# KiCad board TEST_PANEL.kicad_pcb (continued)
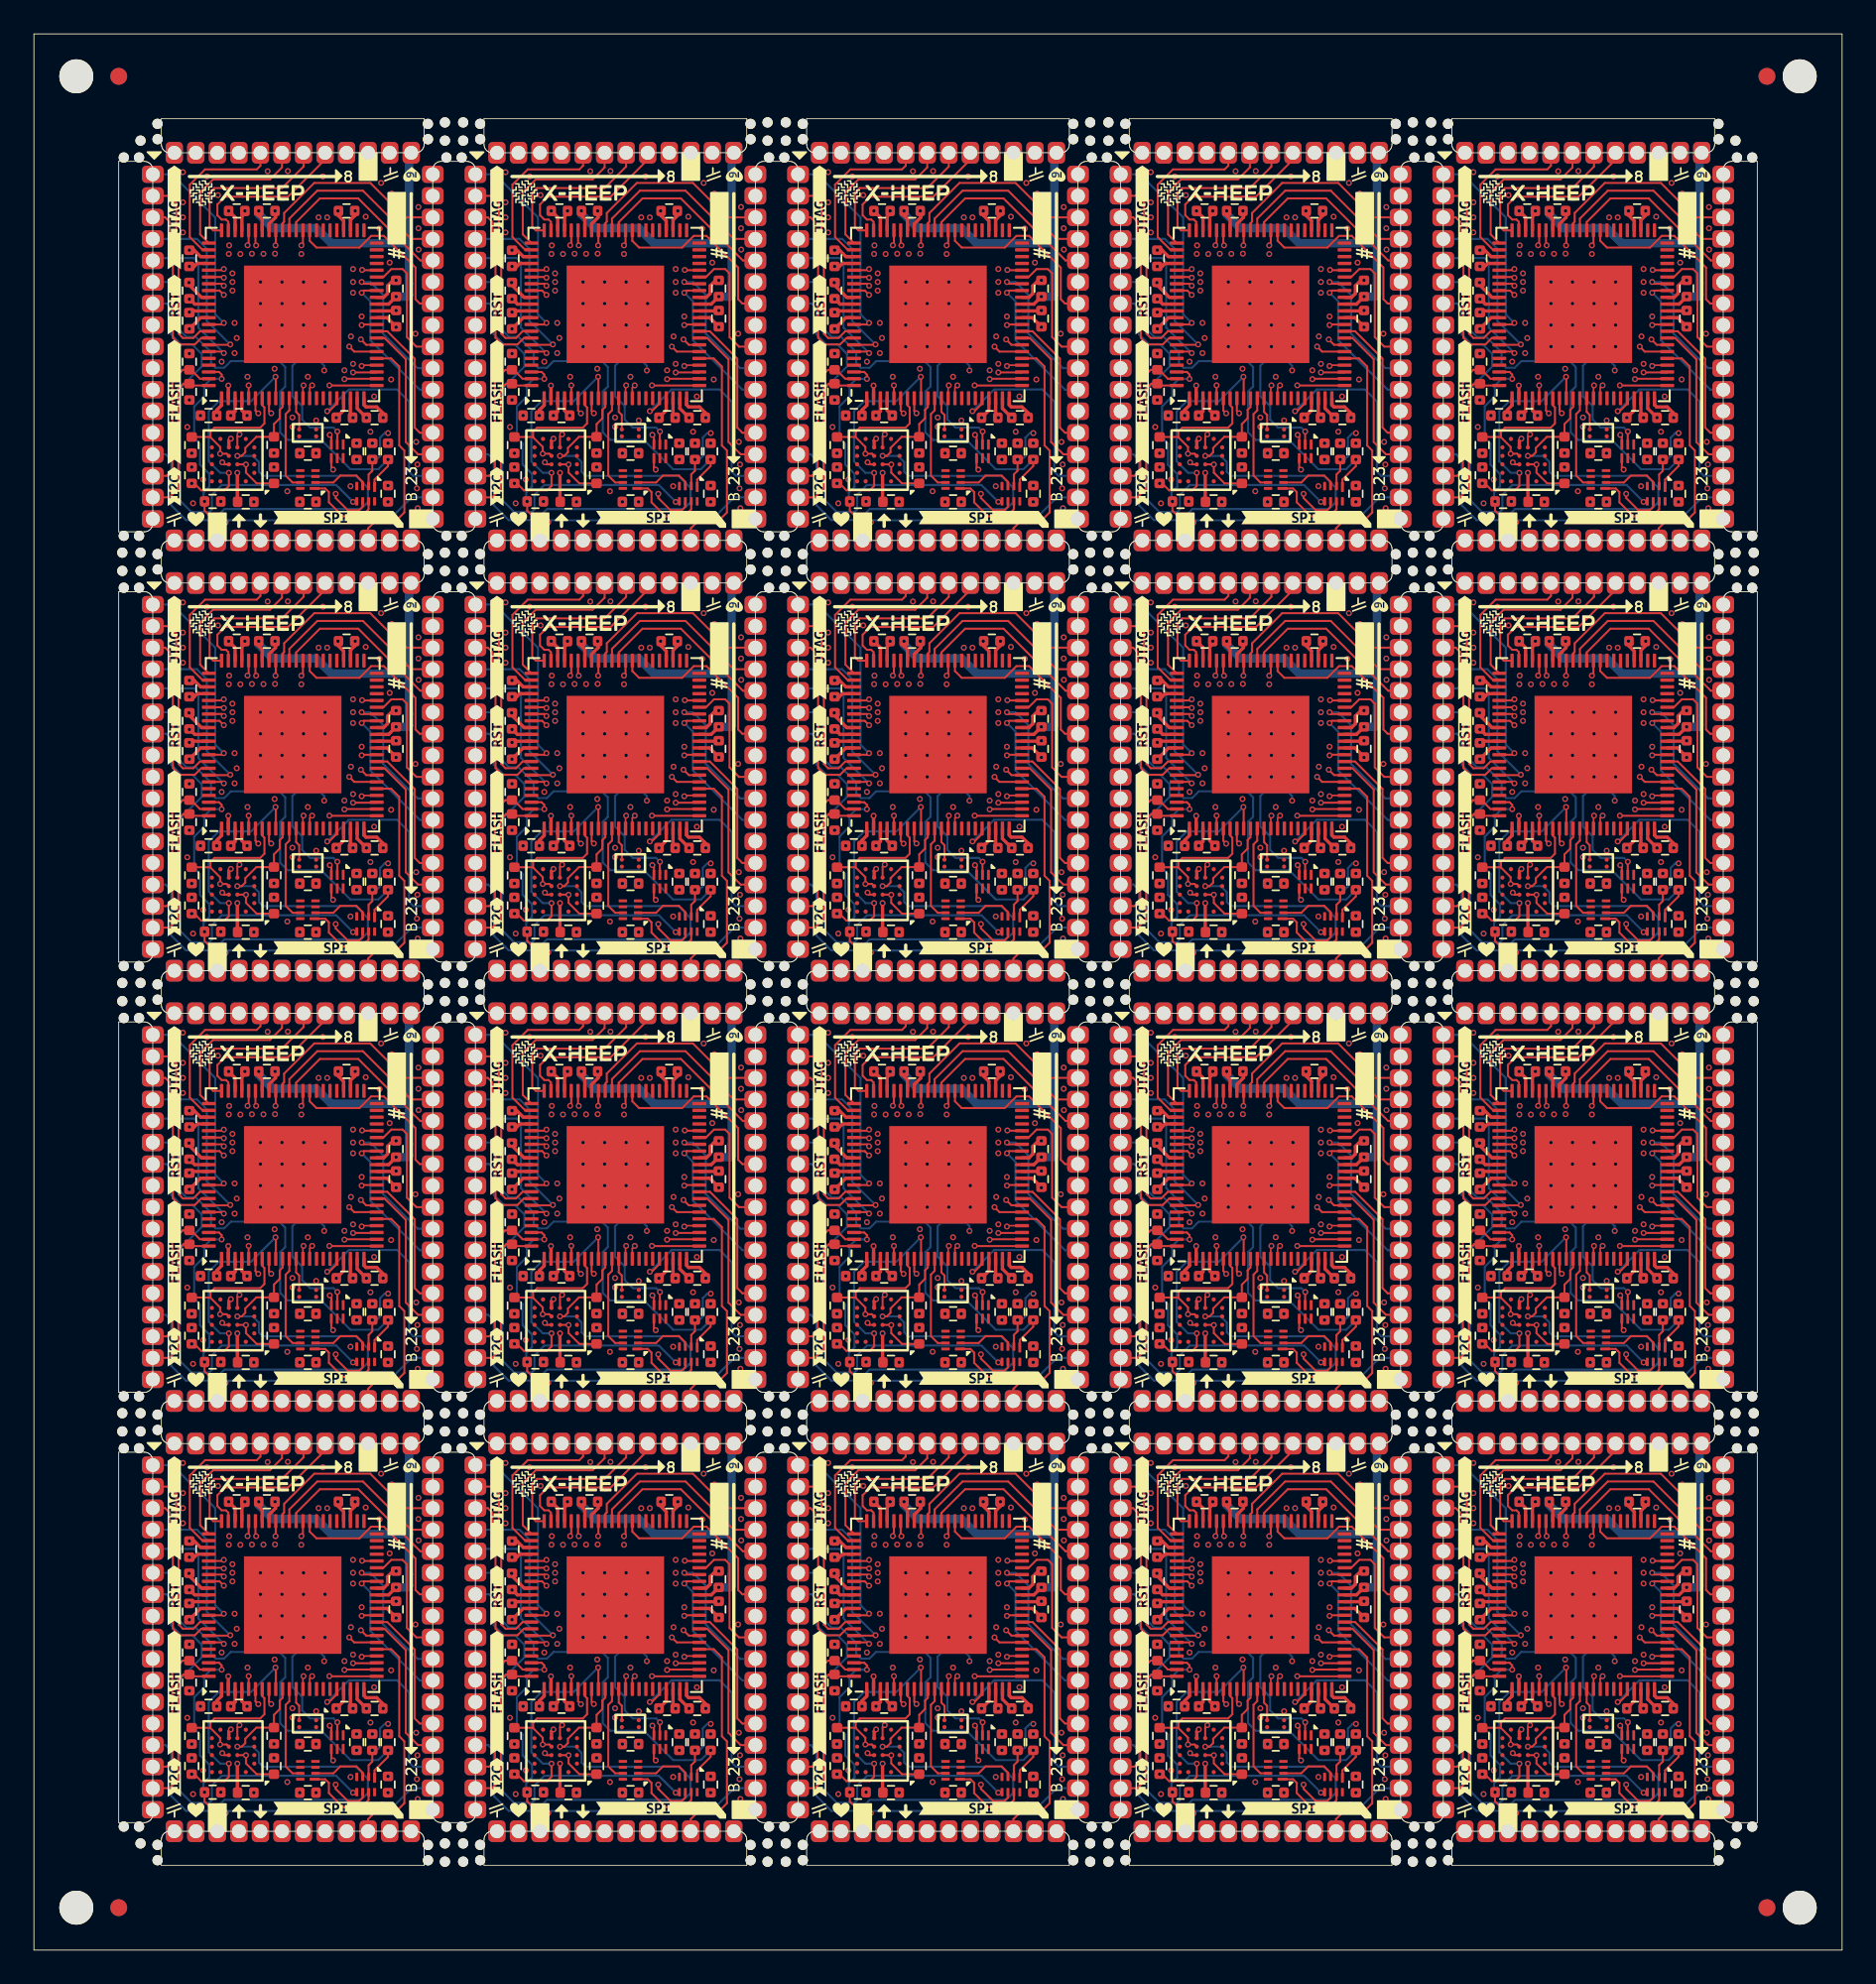
[diagram p0: board, top side]
## Routing (per net, layer and track width the routed paths; a pad name or vN(x,y) marks a point on that pad's centre or on a via; arc(x,y) is an arc through that point) (continued)
Board_15-nRST_HEEP: length 113.6
  Top w0.12: U44.7 72.33,35.8 71.92,36.2 71.92,39.83 72.14,40.05 U41.11 ; U99.7 91.35,86.54 90.95,86.95 90.95,90.57 91.17,90.79 U96.11 ; U29.7 15.25,35.8 14.84,36.2 14.84,39.83 15.06,40.05 U26.11 ; U6.11 34.09,14.68 33.87,14.46 33.87,10.83 34.28,10.43 U9.7 ; U11.11 53.12,14.68 52.9,14.46 52.9,10.83 53.3,10.43 U14.7 ; U59.7 34.28,61.17 33.87,61.57 33.87,65.2 34.09,65.42 U56.11 ; U24.7 91.35,10.43 90.95,10.83 90.95,14.46 91.17,14.68 U21.11 ; U19.7 72.33,10.43 71.92,10.83 71.92,14.46 72.14,14.68 U16.11 ; U84.7 34.28,86.54 33.87,86.95 33.87,90.57 34.09,90.79 U81.11 ; U94.7 72.33,86.54 71.92,86.95 71.92,90.57 72.14,90.79 U91.11 ; U39.7 53.3,35.8 52.9,36.2 52.9,39.83 53.12,40.05 U36.11 ; U49.7 91.35,35.8 90.95,36.2 90.95,39.83 91.17,40.05 U46.11 ; U34.7 34.28,35.8 33.87,36.2 33.87,39.83 34.09,40.05 U31.11 ; U86.11 53.12,90.79 52.9,90.57 52.9,86.95 53.3,86.54 U89.7 ; U1.11 15.06,14.68 14.84,14.46 14.84,10.83 15.25,10.43 U4.7 ; U71.11 91.17,65.42 90.95,65.2 90.95,61.57 91.35,61.17 U74.7 ; U51.11 15.06,65.42 14.84,65.2 14.84,61.57 15.25,61.17 U54.7 ; U64.7 53.3,61.17 52.9,61.57 52.9,65.2 53.12,65.42 U61.11 ; U76.11 15.06,90.79 14.84,90.57 14.84,86.95 15.25,86.54 U79.7 ; U66.11 72.14,65.42 71.92,65.2 71.92,61.57 72.33,61.17 U69.7
Board_15-PMIC_nRST: length 525.6
  Bottom w0.12: v1(75.9,85.4) 74.9,86.39 68.15,86.39 67.57,85.81 67.57,84.95 67.42,84.8 66.37,84.8 65.67,85.5 65.67,92.07 66.97,93.37 66.97,94.12 66.42,94.67 65.77,94.67 65.17,95.27 65.17,96.82 64.9,97.09 J19.7 ; J5.7 83.93,20.98 84.2,20.71 84.2,19.16 84.8,18.56 85.45,18.56 86,18.01 86,17.26 84.7,15.96 84.7,9.38 85.4,8.68 86.44,8.68 86.6,8.84 86.6,9.7 87.18,10.28 93.93,10.28 v1(94.92,9.28) ; v1(37.84,34.65) 36.85,35.65 30.1,35.65 29.52,35.07 29.52,34.21 29.36,34.05 28.32,34.05 27.62,34.75 27.62,41.33 28.92,42.63 28.92,43.38 28.37,43.93 27.72,43.93 27.12,44.53 27.12,46.08 26.85,46.35 J7.7 ; J17.7 26.85,97.09 27.12,96.82 27.12,95.27 27.72,94.67 28.37,94.67 28.92,94.12 28.92,93.37 27.62,92.07 27.62,85.5 28.32,84.8 29.36,84.8 29.52,84.95 29.52,85.81 30.1,86.39 36.85,86.39 v1(37.84,85.4) ; J11.7 7.82,71.72 8.09,71.45 8.09,69.9 8.69,69.3 9.34,69.3 9.89,68.75 9.89,68 8.59,66.7 8.59,60.12 9.29,59.42 10.34,59.42 10.49,59.58 10.49,60.44 11.07,61.02 17.82,61.02 v1(18.82,60.02) ; v1(94.92,85.4) 93.93,86.39 87.18,86.39 86.6,85.81 86.6,84.95 86.44,84.8 85.4,84.8 84.7,85.5 84.7,92.07 86,93.37 86,94.12 85.45,94.67 84.8,94.67 84.2,95.27 84.2,96.82 83.93,97.09 J20.7 ; v1(75.9,34.65) 74.9,35.65 68.15,35.65 67.57,35.07 67.57,34.21 67.42,34.05 66.37,34.05 65.67,34.75 65.67,41.33 66.97,42.63 66.97,43.38 66.42,43.93 65.77,43.93 65.17,44.53 65.17,46.08 64.9,46.35 J9.7 ; J3.7 45.88,20.98 46.15,20.71 46.15,19.16 46.75,18.56 47.4,18.56 47.95,18.01 47.95,17.26 46.65,15.96 46.65,9.38 47.35,8.68 48.39,8.68 48.55,8.84 48.55,9.7 49.13,10.28 55.88,10.28 v1(56.87,9.28) ; J1.7 7.82,20.98 8.09,20.71 8.09,19.16 8.69,18.56 9.34,18.56 9.89,18.01 9.89,17.26 8.59,15.96 8.59,9.38 9.29,8.68 10.34,8.68 10.49,8.84 10.49,9.7 11.07,10.28 17.82,10.28 v1(18.82,9.28) ; J12.7 26.85,71.72 27.12,71.45 27.12,69.9 27.72,69.3 28.37,69.3 28.92,68.75 28.92,68 27.62,66.7 27.62,60.12 28.32,59.42 29.36,59.42 29.52,59.58 29.52,60.44 30.1,61.02 36.85,61.02 v1(37.84,60.02) ; J14.7 64.9,71.72 65.17,71.45 65.17,69.9 65.77,69.3 66.42,69.3 66.97,68.75 66.97,68 65.67,66.7 65.67,60.12 66.37,59.42 67.42,59.42 67.57,59.58 67.57,60.44 68.15,61.02 74.9,61.02 v1(75.9,60.02) ; v1(56.87,85.4) 55.88,86.39 49.13,86.39 48.55,85.81 48.55,84.95 48.39,84.8 47.35,84.8 46.65,85.5 46.65,92.07 47.95,93.37 47.95,94.12 47.4,94.67 46.75,94.67 46.15,95.27 46.15,96.82 45.88,97.09 J18.7 ; v1(56.87,60.02) 55.88,61.02 49.13,61.02 48.55,60.44 48.55,59.58 48.39,59.42 47.35,59.42 46.65,60.12 46.65,66.7 47.95,68 47.95,68.75 47.4,69.3 46.75,69.3 46.15,69.9 46.15,71.45 45.88,71.72 J13.7 ; J8.7 45.88,46.35 46.15,46.08 46.15,44.53 46.75,43.93 47.4,43.93 47.95,43.38 47.95,42.63 46.65,41.33 46.65,34.75 47.35,34.05 48.39,34.05 48.55,34.21 48.55,35.07 49.13,35.65 55.88,35.65 v1(56.87,34.65) ; v1(94.92,60.02) 93.93,61.02 87.18,61.02 86.6,60.44 86.6,59.58 86.44,59.42 85.4,59.42 84.7,60.12 84.7,66.7 86,68 86,68.75 85.45,69.3 84.8,69.3 84.2,69.9 84.2,71.45 83.93,71.72 J15.7 ; J4.7 64.9,20.98 65.17,20.71 65.17,19.16 65.77,18.56 66.42,18.56 66.97,18.01 66.97,17.26 65.67,15.96 65.67,9.38 66.37,8.68 67.42,8.68 67.57,8.84 67.57,9.7 68.15,10.28 74.9,10.28 v1(75.9,9.28) ; v1(37.84,9.28) 36.85,10.28 30.1,10.28 29.52,9.7 29.52,8.84 29.36,8.68 28.32,8.68 27.62,9.38 27.62,15.96 28.92,17.26 28.92,18.01 28.37,18.56 27.72,18.56 27.12,19.16 27.12,20.71 26.85,20.98 J2.7 ; J6.7 7.82,46.35 8.09,46.08 8.09,44.53 8.69,43.93 9.34,43.93 9.89,43.38 9.89,42.63 8.59,41.33 8.59,34.75 9.29,34.05 10.34,34.05 10.49,34.21 10.49,35.07 11.07,35.65 17.82,35.65 v1(18.82,34.65) ; J10.7 83.93,46.35 84.2,46.08 84.2,44.53 84.8,43.93 85.45,43.93 86,43.38 86,42.63 84.7,41.33 84.7,34.75 85.4,34.05 86.44,34.05 86.6,34.21 86.6,35.07 87.18,35.65 93.93,35.65 v1(94.92,34.65) ; J16.7 7.82,97.09 8.09,96.82 8.09,95.27 8.69,94.67 9.34,94.67 9.89,94.12 9.89,93.37 8.59,92.07 8.59,85.5 9.29,84.8 10.34,84.8 10.49,84.95 10.49,85.81 11.07,86.39 17.82,86.39 v1(18.82,85.4)
Board_15-SOC_RST_OUT: length 408
  Top w0.12: U40.2 55.94,38.8 v1(55.95,38.8) ; v1(36.92,64.17) 36.91,64.17 U60.2 ; U85.2 36.91,89.54 v1(36.92,89.55) ; U75.2 93.99,64.17 v1(94,64.17) ; v1(74.97,64.17) 74.97,64.17 U70.2 ; U20.2 74.97,13.43 v1(74.97,13.43) ; U55.2 17.89,64.17 v1(17.89,64.17) ; U100.2 93.99,89.54 v1(94,89.55) ; v1(36.92,38.8) 36.91,38.8 U35.2 ; U90.2 55.94,89.54 v1(55.95,89.55) ; v1(17.89,13.43) 17.89,13.43 U5.2 ; v1(74.97,38.8) 74.97,38.8 U45.2 ; U65.2 55.94,64.17 v1(55.95,64.17) ; v1(94,38.8) 93.99,38.8 U50.2 ; U15.2 55.94,13.43 v1(55.95,13.43) ; U30.2 17.89,38.8 v1(17.89,38.8) ; U95.2 74.97,89.54 v1(74.97,89.55) ; U25.2 93.99,13.43 v1(94,13.43) ; U80.2 17.89,89.54 v1(17.89,89.55) ; U10.2 36.91,13.43 v1(36.92,13.43)
  In3.Cu w0.12: v1(93.22,93.15) 92.77,93.15 90.75,95.17 89.25,95.17 88.95,95.47 86.57,95.47 85.87,96.17 84.67,96.17 84.32,95.82 J20.8 ; v1(74.2,42.4) 73.75,42.4 71.72,44.43 70.22,44.43 69.92,44.73 67.55,44.73 66.85,45.43 65.65,45.43 65.3,45.08 J9.8 ; J8.8 46.27,45.08 46.62,45.43 47.82,45.43 48.52,44.73 50.9,44.73 51.2,44.43 52.7,44.43 54.72,42.4 v1(55.17,42.4) ; v1(36.14,93.15) 35.69,93.15 33.67,95.17 32.17,95.17 31.87,95.47 29.5,95.47 28.8,96.17 27.59,96.17 27.25,95.82 J17.8 ; J13.8 46.27,70.45 46.62,70.8 47.82,70.8 48.52,70.1 50.9,70.1 51.2,69.8 52.7,69.8 54.72,67.77 v1(55.17,67.77) ; J11.8 8.22,70.45 8.57,70.8 9.77,70.8 10.47,70.1 12.84,70.1 13.14,69.8 14.64,69.8 16.67,67.77 v1(17.12,67.77) ; v1(17.12,17.03) 16.67,17.03 14.64,19.06 13.14,19.06 12.84,19.36 10.47,19.36 9.77,20.06 8.57,20.06 8.22,19.71 J1.8 ; J7.8 27.25,45.08 27.59,45.43 28.8,45.43 29.5,44.73 31.87,44.73 32.17,44.43 33.67,44.43 35.69,42.4 v1(36.14,42.4) ; J19.8 65.3,95.82 65.65,96.17 66.85,96.17 67.55,95.47 69.92,95.47 70.22,95.17 71.72,95.17 73.75,93.15 v1(74.2,93.15) ; v1(55.17,17.03) 54.72,17.03 52.7,19.06 51.2,19.06 50.9,19.36 48.52,19.36 47.82,20.06 46.62,20.06 46.27,19.71 J3.8 ; v1(17.12,93.15) 16.67,93.15 14.64,95.17 13.14,95.17 12.84,95.47 10.47,95.47 9.77,96.17 8.57,96.17 8.22,95.82 J16.8 ; J10.8 84.32,45.08 84.67,45.43 85.87,45.43 86.57,44.73 88.95,44.73 89.25,44.43 90.75,44.43 92.77,42.4 v1(93.22,42.4) ; v1(93.22,67.77) 92.77,67.77 90.75,69.8 89.25,69.8 88.95,70.1 86.57,70.1 85.87,70.8 84.67,70.8 84.32,70.45 J15.8 ; v1(74.2,17.03) 73.75,17.03 71.72,19.06 70.22,19.06 69.92,19.36 67.55,19.36 66.85,20.06 65.65,20.06 65.3,19.71 J4.8 ; v1(36.14,17.03) 35.69,17.03 33.67,19.06 32.17,19.06 31.87,19.36 29.5,19.36 28.8,20.06 27.59,20.06 27.25,19.71 J2.8 ; v1(17.12,42.4) 16.67,42.4 14.64,44.43 13.14,44.43 12.84,44.73 10.47,44.73 9.77,45.43 8.57,45.43 8.22,45.08 J6.8 ; v1(93.22,17.03) 92.77,17.03 90.75,19.06 89.25,19.06 88.95,19.36 86.57,19.36 85.87,20.06 84.67,20.06 84.32,19.71 J5.8 ; J14.8 65.3,70.45 65.65,70.8 66.85,70.8 67.55,70.1 69.92,70.1 70.22,69.8 71.72,69.8 73.75,67.77 v1(74.2,67.77) ; v1(36.14,67.77) 35.69,67.77 33.67,69.8 32.17,69.8 31.87,70.1 29.5,70.1 28.8,70.8 27.59,70.8 27.25,70.45 J12.8 ; J18.8 46.27,95.82 46.62,96.17 47.82,96.17 48.52,95.47 50.9,95.47 51.2,95.17 52.7,95.17 54.72,93.15 v1(55.17,93.15)
  Bottom w0.12: v1(93.22,42.4) 93.22,42.68 93,42.9 91.57,42.9 91.35,42.68 91.35,40.88 91.92,40.3 91.92,39.5 92.4,39.03 93.77,39.03 v1(94,38.8) ; v1(36.14,93.15) 36.14,93.42 35.92,93.65 34.5,93.65 34.27,93.42 34.27,91.62 34.84,91.05 34.84,90.25 35.32,89.77 36.69,89.77 v1(36.92,89.55) ; v1(36.92,64.17) 36.69,64.4 35.32,64.4 34.84,64.87 34.84,65.67 34.27,66.25 34.27,68.05 34.5,68.27 35.92,68.27 36.14,68.05 v1(36.14,67.77) ; v1(36.92,13.43) 36.69,13.66 35.32,13.66 34.84,14.13 34.84,14.93 34.27,15.51 34.27,17.31 34.5,17.53 35.92,17.53 36.14,17.31 v1(36.14,17.03) ; v1(94,64.17) 93.77,64.4 92.4,64.4 91.92,64.87 91.92,65.67 91.35,66.25 91.35,68.05 91.57,68.27 93,68.27 93.22,68.05 v1(93.22,67.77) ; v1(74.2,17.03) 74.2,17.31 73.97,17.53 72.55,17.53 72.32,17.31 72.32,15.51 72.9,14.93 72.9,14.13 73.37,13.66 74.75,13.66 v1(74.97,13.43) ; v1(17.89,38.8) 17.67,39.03 16.29,39.03 15.82,39.5 15.82,40.3 15.24,40.88 15.24,42.68 15.47,42.9 16.89,42.9 17.12,42.68 v1(17.12,42.4) ; v1(93.22,17.03) 93.22,17.31 93,17.53 91.57,17.53 91.35,17.31 91.35,15.51 91.92,14.93 91.92,14.13 92.4,13.66 93.77,13.66 v1(94,13.43) ; v1(17.12,17.03) 17.12,17.31 16.89,17.53 15.47,17.53 15.24,17.31 15.24,15.51 15.82,14.93 15.82,14.13 16.29,13.66 17.67,13.66 v1(17.89,13.43) ; v1(55.95,89.55) 55.72,89.77 54.35,89.77 53.87,90.25 53.87,91.05 53.3,91.62 53.3,93.42 53.52,93.65 54.95,93.65 55.17,93.42 v1(55.17,93.15) ; v1(74.97,89.55) 74.75,89.77 73.37,89.77 72.9,90.25 72.9,91.05 72.32,91.62 72.32,93.42 72.55,93.65 73.97,93.65 74.2,93.42 v1(74.2,93.15) ; v1(17.12,67.77) 17.12,68.05 16.89,68.27 15.47,68.27 15.24,68.05 15.24,66.25 15.82,65.67 15.82,64.87 16.29,64.4 17.67,64.4 v1(17.89,64.17) ; v1(55.95,13.43) 55.72,13.66 54.35,13.66 53.87,14.13 53.87,14.93 53.3,15.51 53.3,17.31 53.52,17.53 54.95,17.53 55.17,17.31 v1(55.17,17.03) ; v1(55.95,38.8) 55.72,39.03 54.35,39.03 53.87,39.5 53.87,40.3 53.3,40.88 53.3,42.68 53.52,42.9 54.95,42.9 55.17,42.68 v1(55.17,42.4) ; v1(74.97,38.8) 74.75,39.03 73.37,39.03 72.9,39.5 72.9,40.3 72.32,40.88 72.32,42.68 72.55,42.9 73.97,42.9 74.2,42.68 v1(74.2,42.4) ; v1(55.17,67.77) 55.17,68.05 54.95,68.27 53.52,68.27 53.3,68.05 53.3,66.25 53.87,65.67 53.87,64.87 54.35,64.4 55.72,64.4 v1(55.95,64.17) ; v1(74.2,67.77) 74.2,68.05 73.97,68.27 72.55,68.27 72.32,68.05 72.32,66.25 72.9,65.67 72.9,64.87 73.37,64.4 74.75,64.4 v1(74.97,64.17) ; v1(93.22,93.15) 93.22,93.42 93,93.65 91.57,93.65 91.35,93.42 91.35,91.62 91.92,91.05 91.92,90.25 92.4,89.77 93.77,89.77 v1(94,89.55) ; v1(36.14,42.4) 36.14,42.68 35.92,42.9 34.5,42.9 34.27,42.68 34.27,40.88 34.84,40.3 34.84,39.5 35.32,39.03 36.69,39.03 v1(36.92,38.8) ; v1(17.89,89.55) 17.67,89.77 16.29,89.77 15.82,90.25 15.82,91.05 15.24,91.62 15.24,93.42 15.47,93.65 16.89,93.65 17.12,93.42 v1(17.12,93.15)
Board_15-SPI_CS0_HEEP: length 318.5
  Top w0.12: v1(18.59,69.18) 18.89,68.88 U51.28 ; U91.28 75.97,94.26 v1(75.67,94.55) ; U56.28 37.91,68.88 v1(37.62,69.18) ; U96.28 94.99,94.26 v1(94.7,94.55) ; U36.28 56.94,43.51 v1(56.65,43.81) ; U11.28 56.94,18.14 v1(56.65,18.44) ; U1.28 18.89,18.14 v1(18.59,18.44) ; v1(56.65,69.18) 56.94,68.88 U61.28 ; U81.28 37.91,94.26 v1(37.62,94.55) ; U31.28 37.91,43.51 v1(37.62,43.81) ; U86.28 56.94,94.26 v1(56.65,94.55) ; v1(94.7,18.44) 94.99,18.14 U21.28 ; U6.28 37.91,18.14 v1(37.62,18.44) ; U76.28 18.89,94.26 v1(18.59,94.55) ; U66.28 75.97,68.88 v1(75.67,69.18) ; U46.28 94.99,43.51 v1(94.7,43.81) ; U71.28 94.99,68.88 v1(94.7,69.18) ; U16.28 75.97,18.14 v1(75.67,18.44) ; U41.28 75.97,43.51 v1(75.67,43.81) ; U26.28 18.89,43.51 v1(18.59,43.81)
  In3.Cu w0.12: 59.48,7.45 J3.28 59.03,8.19 59.49,8.65 59.49,16.89 58.12,18.26 56.83,18.26 v1(56.65,18.44) ; v1(94.7,94.55) 94.88,94.37 96.17,94.37 97.54,93 97.54,84.76 97.08,84.3 J20.28 97.53,83.57 ; 40.45,83.57 J17.28 40,84.3 40.46,84.76 40.46,93 39.09,94.37 37.8,94.37 v1(37.62,94.55) ; 21.42,83.57 J16.28 20.98,84.3 21.43,84.76 21.43,93 20.06,94.37 18.77,94.37 v1(18.59,94.55) ; v1(75.67,69.18) 75.85,69 77.14,69 78.51,67.63 78.51,59.39 78.06,58.93 J14.28 78.5,58.2 ; v1(18.59,43.81) 18.77,43.63 20.06,43.63 21.43,42.26 21.43,34.02 20.98,33.56 J6.28 21.42,32.82 ; 97.53,58.2 J15.28 97.08,58.93 97.54,59.39 97.54,67.63 96.17,69 94.88,69 v1(94.7,69.18) ; 78.5,7.45 J4.28 78.06,8.19 78.51,8.65 78.51,16.89 77.14,18.26 75.85,18.26 v1(75.67,18.44) ; 97.53,7.45 J5.28 97.08,8.19 97.54,8.65 97.54,16.89 96.17,18.26 94.88,18.26 v1(94.7,18.44) ; v1(18.59,69.18) 18.77,69 20.06,69 21.43,67.63 21.43,59.39 20.98,58.93 J11.28 21.42,58.2 ; 40.45,32.82 J7.28 40,33.56 40.46,34.02 40.46,42.26 39.09,43.63 37.8,43.63 v1(37.62,43.81) ; v1(94.7,43.81) 94.88,43.63 96.17,43.63 97.54,42.26 97.54,34.02 97.08,33.56 J10.28 97.53,32.82 ; 59.48,32.82 J8.28 59.03,33.56 59.49,34.02 59.49,42.26 58.12,43.63 56.83,43.63 v1(56.65,43.81) ; 78.5,32.82 J9.28 78.06,33.56 78.51,34.02 78.51,42.26 77.14,43.63 75.85,43.63 v1(75.67,43.81) ; v1(56.65,94.55) 56.83,94.37 58.12,94.37 59.49,93 59.49,84.76 59.03,84.3 J18.28 59.48,83.57 ; v1(37.62,18.44) 37.8,18.26 39.09,18.26 40.46,16.89 40.46,8.65 40,8.19 J2.28 40.45,7.45 ; v1(75.67,94.55) 75.85,94.37 77.14,94.37 78.51,93 78.51,84.76 78.06,84.3 J19.28 78.5,83.57 ; v1(18.59,18.44) 18.77,18.26 20.06,18.26 21.43,16.89 21.43,8.65 20.98,8.19 J1.28 21.42,7.45 ; v1(56.65,69.18) 56.83,69 58.12,69 59.49,67.63 59.49,59.39 59.03,58.93 J13.28 59.48,58.2 ; v1(37.62,69.18) 37.8,69 39.09,69 40.46,67.63 40.46,59.39 40,58.93 J12.28 40.45,58.2
Board_15-SPI_CS1_HEEP: length 269.9
  Top w0.12: U91.27 78.14,93.86 78.62,93.38 78.62,88.72 78.92,88.42 78.92,84.77 78.42,84.27 77.22,84.27 76.79,83.83 J19.27 ; J1.27 19.71,7.72 20.14,8.16 21.34,8.16 21.84,8.66 21.84,12.31 21.54,12.61 21.54,17.26 21.06,17.74 U1.27 ; J5.27 95.81,7.72 96.25,8.16 97.45,8.16 97.95,8.66 97.95,12.31 97.65,12.61 97.65,17.26 97.17,17.74 U21.27 ; J6.27 19.71,33.09 20.14,33.53 21.34,33.53 21.84,34.03 21.84,37.68 21.54,37.98 21.54,42.63 21.06,43.11 U26.27 ; U6.27 40.09,17.74 40.57,17.26 40.57,12.61 40.87,12.31 40.87,8.66 40.37,8.16 39.17,8.16 38.73,7.72 J2.27 ; J8.27 57.76,33.09 58.2,33.53 59.4,33.53 59.9,34.03 59.9,37.68 59.6,37.98 59.6,42.63 59.12,43.11 U36.27 ; 58.26,68.48 59.12,68.48 59.6,68 59.6,63.35 59.9,63.05 59.9,59.4 59.4,58.9 58.2,58.9 57.76,58.46 J13.27 ; 39.24,68.48 40.09,68.48 40.57,68 40.57,63.35 40.87,63.05 40.87,59.4 40.37,58.9 39.17,58.9 38.73,58.46 J12.27 ; 20.21,68.48 21.06,68.48 21.54,68 21.54,63.35 21.84,63.05 21.84,59.4 21.34,58.9 20.14,58.9 19.71,58.46 J11.27 ; 77.29,68.48 78.14,68.48 78.62,68 78.62,63.35 78.92,63.05 78.92,59.4 78.42,58.9 77.22,58.9 76.79,58.46 J14.27 ; J10.27 95.81,33.09 96.25,33.53 97.45,33.53 97.95,34.03 97.95,37.68 97.65,37.98 97.65,42.63 97.17,43.11 U46.27 ; U81.27 40.09,93.86 40.57,93.38 40.57,88.72 40.87,88.42 40.87,84.77 40.37,84.27 39.17,84.27 38.73,83.83 J17.27 ; J18.27 57.76,83.83 58.2,84.27 59.4,84.27 59.9,84.77 59.9,88.42 59.6,88.72 59.6,93.38 59.12,93.86 U86.27 ; J15.27 95.81,58.46 96.25,58.9 97.45,58.9 97.95,59.4 97.95,63.05 97.65,63.35 97.65,68 97.17,68.48 96.32,68.48 ; J20.27 95.81,83.83 96.25,84.27 97.45,84.27 97.95,84.77 97.95,88.42 97.65,88.72 97.65,93.38 97.17,93.86 U96.27 ; J7.27 38.73,33.09 39.17,33.53 40.37,33.53 40.87,34.03 40.87,37.68 40.57,37.98 40.57,42.63 40.09,43.11 U31.27 ; U16.27 78.14,17.74 78.62,17.26 78.62,12.61 78.92,12.31 78.92,8.66 78.42,8.16 77.22,8.16 76.79,7.72 J4.27 ; U76.27 21.06,93.86 21.54,93.38 21.54,88.72 21.84,88.42 21.84,84.77 21.34,84.27 20.14,84.27 19.71,83.83 J16.27 ; U11.27 59.12,17.74 59.6,17.26 59.6,12.61 59.9,12.31 59.9,8.66 59.4,8.16 58.2,8.16 57.76,7.72 J3.27 ; U41.27 78.14,43.11 78.62,42.63 78.62,37.98 78.92,37.68 78.92,34.03 78.42,33.53 77.22,33.53 76.79,33.09 J9.27
Board_15-SPI_MISO_HEEP: length 259.4
  Top w0.12: U81.24 37.36,92.66 v1(37.34,92.63) ; U31.24 37.36,41.91 v1(37.34,41.89) ; v1(18.31,67.26) 18.34,67.28 U51.24 ; v1(75.39,41.89) 75.41,41.91 U41.24 ; U56.24 37.36,67.28 v1(37.34,67.26) ; v1(94.41,41.89) 94.44,41.91 U46.24 ; U86.24 56.39,92.66 v1(56.36,92.63) ; U71.24 94.44,67.28 v1(94.41,67.26) ; v1(75.39,16.52) 75.41,16.54 U16.24 ; U61.24 56.39,67.28 v1(56.36,67.26) ; U66.24 75.41,67.28 v1(75.39,67.26) ; U11.24 56.39,16.54 v1(56.36,16.52) ; U96.24 94.44,92.66 v1(94.41,92.63) ; U91.24 75.41,92.66 v1(75.39,92.63) ; v1(18.31,92.63) 18.34,92.66 U76.24 ; v1(94.41,16.52) 94.44,16.54 U21.24 ; U36.24 56.39,41.91 v1(56.36,41.89) ; v1(18.31,16.52) 18.34,16.54 U1.24 ; v1(18.31,41.89) 18.34,41.91 U26.24 ; v1(37.34,16.52) 37.36,16.54 U6.24
  In3.Cu w0.12: v1(18.31,67.26) 18.56,67.01 18.56,65.24 18.29,64.97 18.29,60.25 17.86,59.82 17.29,59.82 15.9,58.43 J11.24 ; v1(75.39,67.26) 75.64,67.01 75.64,65.24 75.37,64.97 75.37,60.25 74.94,59.82 74.37,59.82 72.98,58.43 J14.24 ; v1(18.31,41.89) 18.56,41.64 18.56,39.87 18.29,39.6 18.29,34.88 17.86,34.45 17.29,34.45 15.9,33.06 J6.24 ; v1(37.34,41.89) 37.59,41.64 37.59,39.87 37.32,39.6 37.32,34.88 36.89,34.45 36.31,34.45 34.92,33.06 34.92,32.38 ; v1(94.41,41.89) 94.67,41.64 94.67,39.87 94.4,39.6 94.4,34.88 93.97,34.45 93.39,34.45 92,33.06 92,32.38 ; J3.24 53.95,7.69 55.34,9.08 55.92,9.08 56.35,9.51 56.35,14.23 56.62,14.5 56.62,16.26 v1(56.36,16.52) ; v1(18.31,16.52) 18.56,16.26 18.56,14.5 18.29,14.23 18.29,9.51 17.86,9.08 17.29,9.08 15.9,7.69 J1.24 ; 92,83.12 92,83.8 93.39,85.19 93.97,85.19 94.4,85.62 94.4,90.34 94.67,90.62 94.67,92.38 v1(94.41,92.63) ; v1(37.34,67.26) 37.59,67.01 37.59,65.24 37.32,64.97 37.32,60.25 36.89,59.82 36.31,59.82 34.92,58.43 34.92,57.75 ; v1(56.36,41.89) 56.62,41.64 56.62,39.87 56.35,39.6 56.35,34.88 55.92,34.45 55.34,34.45 53.95,33.06 J8.24 ; 34.92,83.12 34.92,83.8 36.31,85.19 36.89,85.19 37.32,85.62 37.32,90.34 37.59,90.62 37.59,92.38 v1(37.34,92.63) ; J13.24 53.95,58.43 55.34,59.82 55.92,59.82 56.35,60.25 56.35,64.97 56.62,65.24 56.62,67.01 v1(56.36,67.26) ; 92,57.75 92,58.43 93.39,59.82 93.97,59.82 94.4,60.25 94.4,64.97 94.67,65.24 94.67,67.01 v1(94.41,67.26) ; J18.24 53.95,83.8 55.34,85.19 55.92,85.19 56.35,85.62 56.35,90.34 56.62,90.62 56.62,92.38 v1(56.36,92.63) ; v1(75.39,92.63) 75.64,92.38 75.64,90.62 75.37,90.34 75.37,85.62 74.94,85.19 74.37,85.19 72.98,83.8 J19.24 ; 34.92,7.01 34.92,7.69 36.31,9.08 36.89,9.08 37.32,9.51 37.32,14.23 37.59,14.5 37.59,16.26 v1(37.34,16.52) ; 92,7.01 92,7.69 93.39,9.08 93.97,9.08 94.4,9.51 94.4,14.23 94.67,14.5 94.67,16.26 v1(94.41,16.52) ; J16.24 15.9,83.8 17.29,85.19 17.86,85.19 18.29,85.62 18.29,90.34 18.56,90.62 18.56,92.38 v1(18.31,92.63) ; J9.24 72.98,33.06 74.37,34.45 74.94,34.45 75.37,34.88 75.37,39.6 75.64,39.87 75.64,41.64 v1(75.39,41.89) ; J4.24 72.98,7.69 74.37,9.08 74.94,9.08 75.37,9.51 75.37,14.23 75.64,14.5 75.64,16.26 v1(75.39,16.52)
Board_15-SPI_MOSI_HEEP: length 272.9
  Top w0.12: U56.23 36.46,66.88 v1(36.45,66.89) ; v1(93.53,16.15) 93.53,16.14 U21.23 ; v1(93.53,41.52) 93.53,41.51 U46.23 ; U51.23 17.43,66.88 v1(17.42,66.89) ; v1(93.53,92.26) 93.53,92.26 U96.23 ; v1(74.5,92.26) 74.51,92.26 U91.23 ; v1(17.42,41.52) 17.43,41.51 U26.23 ; U36.23 55.48,41.51 v1(55.47,41.52) ; U81.23 36.46,92.26 v1(36.45,92.26) ; U66.23 74.51,66.88 v1(74.5,66.89) ; v1(17.42,16.15) 17.43,16.14 U1.23 ; v1(55.47,16.15) 55.48,16.14 U11.23 ; U86.23 55.48,92.26 v1(55.47,92.26) ; v1(36.45,16.15) 36.46,16.14 U6.23 ; v1(36.45,41.52) 36.46,41.51 U31.23 ; U71.23 93.53,66.88 v1(93.53,66.89) ; U76.23 17.43,92.26 v1(17.42,92.26) ; U61.23 55.48,66.88 v1(55.47,66.89) ; U16.23 74.51,16.14 v1(74.5,16.15) ; v1(74.5,41.52) 74.51,41.51 U41.23
  In3.Cu w0.12: v1(55.47,16.15) 55.47,15.51 54.92,14.95 54.92,14.5 55.12,14.29 55.12,10.56 54.3,9.73 54.3,8.83 53.87,8.41 53.22,8.41 52.68,7.87 J3.23 ; v1(36.45,66.89) 36.45,66.25 35.89,65.69 35.89,65.24 36.09,65.03 36.09,61.3 35.27,60.47 35.27,59.57 34.84,59.15 34.19,59.15 33.65,58.61 J12.23 ; J14.23 71.71,58.61 72.25,59.15 72.9,59.15 73.32,59.57 73.32,60.47 74.15,61.3 74.15,65.03 73.94,65.24 73.94,65.69 74.5,66.25 v1(74.5,66.89) ; v1(93.53,16.15) 93.53,15.51 92.97,14.95 92.97,14.5 93.17,14.29 93.17,10.56 92.35,9.73 92.35,8.83 91.92,8.41 91.27,8.41 90.73,7.87 J5.23 ; v1(36.45,92.26) 36.45,91.62 35.89,91.07 35.89,90.61 36.09,90.41 36.09,86.67 35.27,85.85 35.27,84.95 34.84,84.52 34.19,84.52 33.65,83.98 J17.23 ; J10.23 90.73,33.24 91.27,33.78 91.92,33.78 92.35,34.2 92.35,35.1 93.17,35.93 93.17,39.66 92.97,39.87 92.97,40.32 93.53,40.88 v1(93.53,41.52) ; J4.23 71.71,7.87 72.25,8.41 72.9,8.41 73.32,8.83 73.32,9.73 74.15,10.56 74.15,14.29 73.94,14.5 73.94,14.95 74.5,15.51 v1(74.5,16.15) ; J20.23 90.73,83.98 91.27,84.52 91.92,84.52 92.35,84.95 92.35,85.85 93.17,86.67 93.17,90.41 92.97,90.61 92.97,91.07 93.53,91.62 v1(93.53,92.26) ; v1(36.45,41.52) 36.45,40.88 35.89,40.32 35.89,39.87 36.09,39.66 36.09,35.93 35.27,35.1 35.27,34.2 34.84,33.78 34.19,33.78 33.65,33.24 J7.23 ; J19.23 71.71,83.98 72.25,84.52 72.9,84.52 73.32,84.95 73.32,85.85 74.15,86.67 74.15,90.41 73.94,90.61 73.94,91.07 74.5,91.62 v1(74.5,92.26) ; v1(17.42,66.89) 17.42,66.25 16.86,65.69 16.86,65.24 17.07,65.03 17.07,61.3 16.24,60.47 16.24,59.57 15.82,59.15 15.17,59.15 14.63,58.61 J11.23 ; v1(55.47,41.52) 55.47,40.88 54.92,40.32 54.92,39.87 55.12,39.66 55.12,35.93 54.3,35.1 54.3,34.2 53.87,33.78 53.22,33.78 52.68,33.24 J8.23 ; v1(55.47,66.89) 55.47,66.25 54.92,65.69 54.92,65.24 55.12,65.03 55.12,61.3 54.3,60.47 54.3,59.57 53.87,59.15 53.22,59.15 52.68,58.61 J13.23 ; J18.23 52.68,83.98 53.22,84.52 53.87,84.52 54.3,84.95 54.3,85.85 55.12,86.67 55.12,90.41 54.92,90.61 54.92,91.07 55.47,91.62 v1(55.47,92.26) ; J6.23 14.63,33.24 15.17,33.78 15.82,33.78 16.24,34.2 16.24,35.1 17.07,35.93 17.07,39.66 16.86,39.87 16.86,40.32 17.42,40.88 v1(17.42,41.52) ; v1(93.53,66.89) 93.53,66.25 92.97,65.69 92.97,65.24 93.17,65.03 93.17,61.3 92.35,60.47 92.35,59.57 91.92,59.15 91.27,59.15 90.73,58.61 J15.23 ; J9.23 71.71,33.24 72.25,33.78 72.9,33.78 73.32,34.2 73.32,35.1 74.15,35.93 74.15,39.66 73.94,39.87 73.94,40.32 74.5,40.88 v1(74.5,41.52) ; J2.23 33.65,7.87 34.19,8.41 34.84,8.41 35.27,8.83 35.27,9.73 36.09,10.56 36.09,14.29 35.89,14.5 35.89,14.95 36.45,15.51 v1(36.45,16.15) ; J16.23 14.63,83.98 15.17,84.52 15.82,84.52 16.24,84.95 16.24,85.85 17.07,86.67 17.07,90.41 16.86,90.61 16.86,91.07 17.42,91.62 v1(17.42,92.26) ; v1(17.42,16.15) 17.42,15.51 16.86,14.95 16.86,14.5 17.07,14.29 17.07,10.56 16.24,9.73 16.24,8.83 15.82,8.41 15.17,8.41 14.63,7.87 J1.23
Board_15-SPI_SCK_HEEP: length 294.8
  Top w0.12: v1(38.31,18.86) 38.62,18.54 U6.29 ; v1(38.31,44.23) 38.62,43.91 U31.29 ; v1(57.33,44.23) 57.65,43.91 U36.29 ; U91.29 76.67,94.66 v1(76.36,94.97) ; U26.29 19.6,43.91 v1(19.28,44.23) ; v1(19.28,69.6) 19.6,69.28 U51.29 ; v1(95.38,94.97) 95.7,94.66 U96.29 ; U61.29 57.65,69.28 v1(57.33,69.6) ; U46.29 95.7,43.91 v1(95.38,44.23) ; U66.29 76.67,69.28 v1(76.36,69.6) ; v1(57.33,94.97) 57.65,94.66 U86.29 ; v1(38.31,94.97) 38.62,94.66 U81.29 ; v1(57.33,18.86) 57.65,18.54 U11.29 ; v1(95.38,69.6) 95.7,69.28 U71.29 ; U76.29 19.6,94.66 v1(19.28,94.97) ; v1(19.28,18.86) 19.6,18.54 U1.29 ; U21.29 95.7,18.54 v1(95.38,18.86) ; v1(76.36,44.23) 76.67,43.91 U41.29 ; U56.29 38.62,69.28 v1(38.31,69.6) ; v1(76.36,18.86) 76.67,18.54 U16.29
  In3.Cu w0.12: J14.29 79.26,57.81 79.26,64.22 78.99,64.49 78.99,67.99 77.38,69.6 v1(76.36,69.6) ; v1(38.31,69.6) 39.33,69.6 40.94,67.99 40.94,64.49 41.21,64.22 41.21,57.81 J12.29 ; J4.29 79.26,7.07 79.26,13.48 78.99,13.75 78.99,17.25 77.38,18.86 v1(76.36,18.86) ; v1(57.33,44.23) 58.35,44.23 59.97,42.62 59.97,39.12 60.24,38.85 60.24,32.44 J8.29 ; J18.29 60.24,83.18 60.24,89.59 59.97,89.86 59.97,93.36 58.35,94.97 v1(57.33,94.97) ; J15.29 98.29,57.81 98.29,64.22 98.02,64.49 98.02,67.99 96.41,69.6 v1(95.38,69.6) ; J7.29 41.21,32.44 41.21,38.85 40.94,39.12 40.94,42.62 39.33,44.23 v1(38.31,44.23) ; v1(95.38,94.97) 96.41,94.97 98.02,93.36 98.02,89.86 98.29,89.59 98.29,83.18 J20.29 ; J9.29 79.26,32.44 79.26,38.85 78.99,39.12 78.99,42.62 77.38,44.23 v1(76.36,44.23) ; v1(38.31,94.97) 39.33,94.97 40.94,93.36 40.94,89.86 41.21,89.59 41.21,83.18 J17.29 ; v1(95.38,44.23) 96.41,44.23 98.02,42.62 98.02,39.12 98.29,38.85 98.29,32.44 J10.29 ; v1(19.28,18.86) 20.3,18.86 21.91,17.25 21.91,13.75 22.18,13.48 22.18,7.07 J1.29 ; v1(19.28,94.97) 20.3,94.97 21.91,93.36 21.91,89.86 22.18,89.59 22.18,83.18 J16.29 ; J13.29 60.24,57.81 60.24,64.22 59.97,64.49 59.97,67.99 58.35,69.6 v1(57.33,69.6) ; v1(76.36,94.97) 77.38,94.97 78.99,93.36 78.99,89.86 79.26,89.59 79.26,83.18 J19.29 ; J2.29 41.21,7.07 41.21,13.48 40.94,13.75 40.94,17.25 39.33,18.86 v1(38.31,18.86) ; J6.29 22.18,32.44 22.18,38.85 21.91,39.12 21.91,42.62 20.3,44.23 v1(19.28,44.23) ; J3.29 60.24,7.07 60.24,13.48 59.97,13.75 59.97,17.25 58.35,18.86 v1(57.33,18.86) ; v1(19.28,69.6) 20.3,69.6 21.91,67.99 21.91,64.49 22.18,64.22 22.18,57.81 J11.29 ; v1(95.38,18.86) 96.41,18.86 98.02,17.25 98.02,13.75 98.29,13.48 98.29,7.07 J5.29
